# Altium PCB DM1097_R2M0E2.PcbDoc (part 5 of 7) (continued)
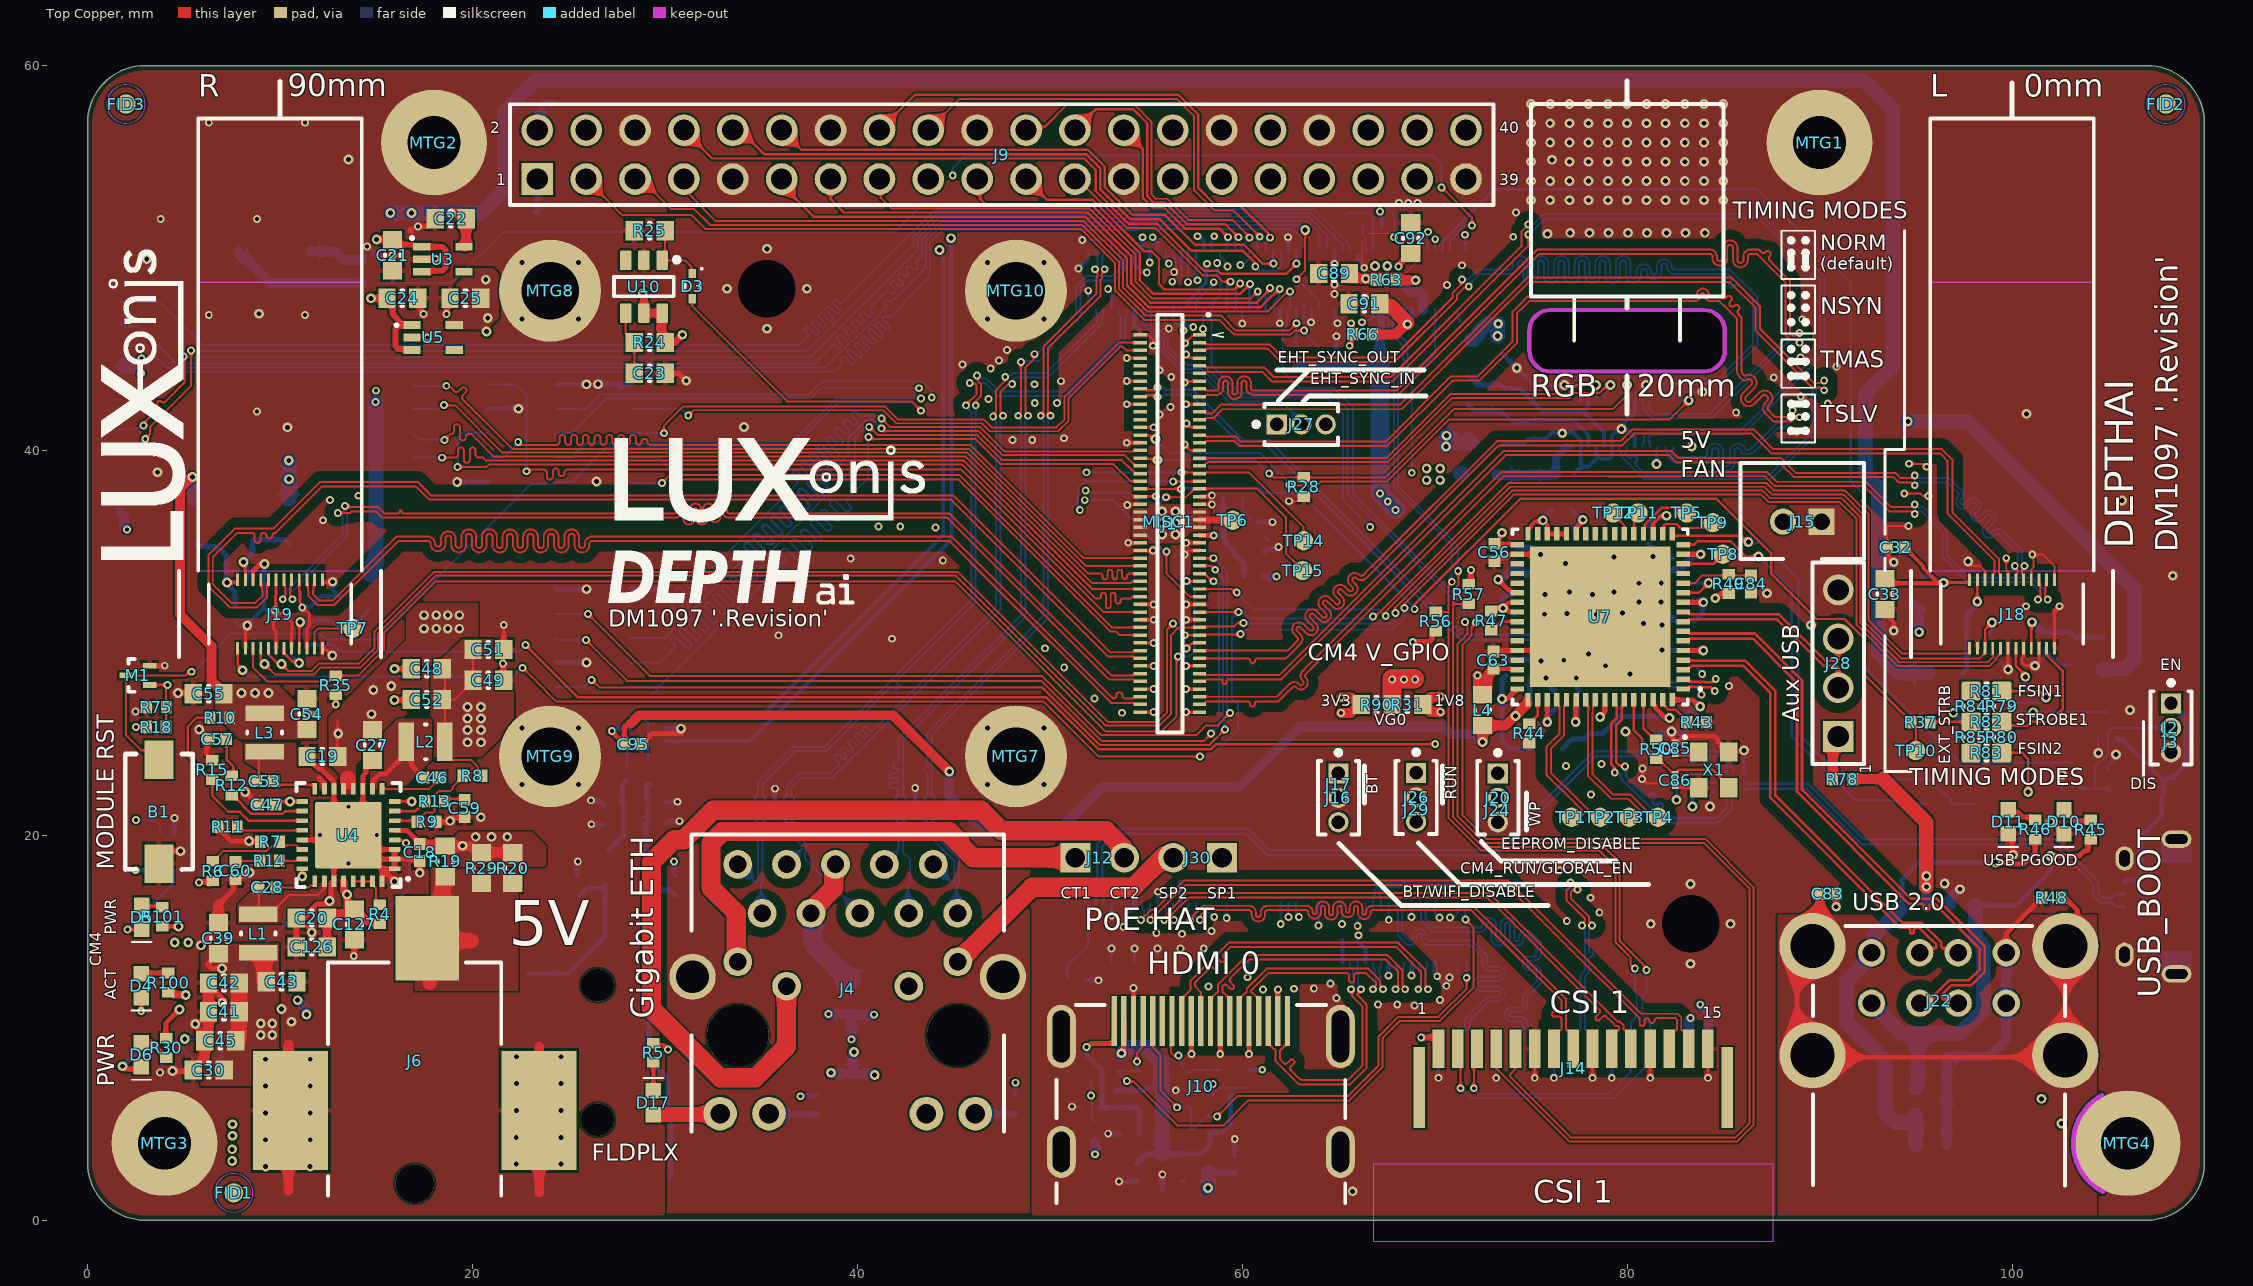
[diagram p0: Top Copper view]
## Nets (pads, with @x,y where several pads share a name; then routed paths per layer and width w, separated by ;. In a path a pad name is that pad's centre, name@x,y a point inside that pad or via, vN(x,y) a via of type N, cw(c..) or ccw(c..) an arc to the next point about the centre after c; other vN are vias at no path point) (continued)
MIPI_RX5_D1_N: J1.27 J11.2 | length 53.9
  Top Copper w0.101: J1.27@57.78,40.8 58.04,40.8 58.126,40.714 58.374,40.714 59.683,40.714 59.934,40.462 67.445,40.462 70.833,43.85 71.155,43.85 72.212,43.85 72.232,43.85 72.427,44.045 74.047,45.665 74.047,46.04 74.047,47.211 74.338,47.503 74.835,48 ; 85.941,46.552 85.941,46.212 85.941,45.827 85.941,44.551 85.941,44.272 85.941,44.185 ccw(c86.325,44.185) 86.104,43.871 cw(c86.32,43.528) 86.592,43.828 86.593,43.827 86.606,43.815 cw(c86.32,43.528) 86.607,43.814 86.64,43.781 86.64,43.777 cw(c86.32,43.528) 86.606,43.241 86.19,42.825 ccw(c86.315,42.699) 86.19,42.573 ccw(c86.315,42.699) 86.441,42.573 ; 86.442,42.574 86.858,42.99 cw(c87.144,42.703) 87.393,43.023 87.398,43.023 87.464,42.957 87.464,42.952 cw(c87.144,42.703) 87.431,42.417 87.349,42.335 ccw(c87.474,42.208) 87.348,42.083 87.594,41.836 87.677,41.754 87.698,41.733 88.172,41.733 ; 88.172,41.733 88.363,41.733
  Top Copper w0.102: 74.835,48 79.766,48 81.559,48 82.474,48 83.527,48 ccw(c83.527,48.102) 83.629,48.102 cw(c83.934,48.102) 83.934,48.407 cw(c83.934,48.102) 84.239,48.102 ccw(c84.34,48.102) 84.34,48 84.868,48 84.887,47.981 ; 84.887,47.981 84.923,47.945 ccw(c85.031,48.053) 85.139,47.945 85.182,47.988 cw(c85.29,47.88) 85.398,47.772 85.355,47.729 ccw(c85.463,47.621) 85.571,47.513 cw(c85.679,47.405) 85.787,47.297 ccw(c85.896,47.189) 85.787,47.081 85.942,46.926 85.942,46.597 85.942,46.552 85.942,46.212 ; 88.363,41.733 88.447,41.733 88.549,41.835 88.549,42.033 v1(88.6,42.084)
  Bottom Copper w0.102: J11.2@82.4,40.2 82.4,40.06 82.314,39.974 82.314,39.798 82.459,39.653 83.829,39.653 83.994,39.653 ccw(c83.994,39.831) 84.172,39.831 84.172,39.946 cw(c84.579,39.946) 84.579,40.353 cw(c84.579,39.946) 84.986,39.946 84.986,39.359 ccw(c85.164,39.359) 85.164,39.181 ccw(c85.164,39.359) 85.343,39.359 85.343,39.946 cw(c85.749,39.946) 85.749,40.353 cw(c85.749,39.946) 86.147,40.035 ccw(c86.218,40.413) 86.491,40.141 86.647,40.298 ; 86.648,40.298 86.753,40.403 87.764,41.414 88.061,41.414 88.549,41.902 88.549,42.033 v1(88.6,42.084)
MIPI_RX5_D1_P: J1.29 J11.3 | length 53.6
  Top Copper w0.101: J1.29@57.78,40.4 58.04,40.4 58.126,40.486 59.588,40.486 59.84,40.235 67.54,40.235 70.927,43.622 72.212,43.622 72.326,43.622 72.588,43.884 74.274,45.57 74.274,45.812 74.274,47.117 74.66,47.502 ; 85.713,46.117 85.713,44.39 85.713,44.272 85.713,44.185 ccw(c86.325,44.185) 86.031,43.648 86.084,43.619 86.16,43.619 86.193,43.653 ; 86.028,42.413 cw(c86.315,42.699) 86.029,42.985 86.445,43.401 ; 86.029,42.411 ccw(c86.315,42.699) 86.602,42.412 87.018,42.828 cw(c87.144,42.703) 87.27,42.829 cw(c87.144,42.703) 87.27,42.577 87.188,42.496 ccw(c87.474,42.208) 87.187,41.922 87.433,41.676 87.516,41.593 87.604,41.505 88.135,41.505 ; 86.194,43.653 cw(c86.32,43.528) 86.446,43.653 cw(c86.32,43.528) 86.445,43.402 ; 88.135,41.505 88.363,41.505
  Top Copper w0.102: 74.661,47.502 74.93,47.771 79.766,47.771 81.559,47.771 82.474,47.771 83.527,47.771 ccw(c83.527,48.102) 83.858,48.102 cw(c83.934,48.102) 83.934,48.178 cw(c83.934,48.102) 84.01,48.102 ccw(c84.34,48.102) 84.34,47.771 84.773,47.771 84.887,47.658 85.09,47.455 85.713,46.831 85.713,46.117 ; 88.363,41.505 88.542,41.505 88.711,41.673 88.908,41.673 v1(88.959,41.724)
  Bottom Copper w0.102: J11.3@82,40.2 82,40.06 82.086,39.974 82.086,39.703 82.365,39.424 83.829,39.424 83.994,39.424 ccw(c83.994,39.831) 84.401,39.831 84.401,39.946 cw(c84.579,39.946) 84.579,40.124 cw(c84.579,39.946) 84.757,39.946 84.757,39.359 ccw(c85.164,39.359) 85.164,38.953 ccw(c85.164,39.359) 85.571,39.359 85.571,39.946 cw(c85.749,39.946) 85.749,40.124 cw(c85.749,39.946) 85.928,39.946 ccw(c86.042,39.946) 86.001,39.839 ccw(c86.218,40.413) 86.652,39.979 86.809,40.136 86.893,40.22 87.858,41.185 88.155,41.185 88.644,41.673 88.908,41.673 v1(88.959,41.724)
MODULE_nRST: B1.2 D3.2 J1.39 J5.1 M1.3 | length 85.4
  Top Copper w0.102: B1.2@3.708,23.934 3.226,24.417 2.787,24.417 2.006,25.197 M1.3@2.006,28.314 5.104,28.314 5.29,28.5 v1(5.4,28.5) ; D3.2@31.42,47.879 31.42,47.48 36.355,42.545 42.824,42.545 v1(43.307,42.062) v1@43.307,42.012 ; D3.2@31.445,47.879 D3.2@31.445,47.93 ; v1(56.413,38.379) 57.526,38.379 J1.39@57.549,38.402
  Signal Layer 1 w0.102: v1(43.307,42.062) 43.994,42.062 49.15,36.906 v1(51.562,36.906)
  Bottom Copper w0.102: v1@5.436,28.426 5.588,28.578 5.591,28.578 7.502,30.489 12.056,30.489 12.37,30.175 14.961,30.175 23.046,38.261 24.246,38.261 J5.1@24.339,38.354 25.159,38.354 26.809,40.004 26.827,40.004 26.887,40.064 26.887,40.067 26.976,40.156 36.677,40.156 39.014,42.494 42.875,42.494 v1(43.307,42.062) ; v1(51.562,36.906) 51.46,37.008 51.46,38.019 51.821,38.379 v1(56.413,38.379)
NetC7_2: C7.2 J4.4 J4.5 | length 7.5
  Top Copper w1: J4.4@37.595,15.95 37.595,16.085 38.769,17.26 38.769,18.394 J4.5@38.865,18.49
  Bottom Copper w1: J4.4@37.595,15.95 37.691,15.854 37.691,14.359 39.55,12.5 C7.2@39.7,12.5
NetC57_1: C57.1 R12.1 | length 2.1
  Top Copper w0.127: C57.1@7.195,25 7.226,24.969 7.226,23.94 7.58,23.585 7.58,23.165 R12.1@7.505,23.09
NetC59_1: C59.1 R13.1 | length 1.1
  Top Copper w0.127: R13.1@18.538,21.762 18.677,21.9 C59.1@19.55,21.9
NetC60_1: C60.1 R14.1 | length 1.3
  Top Copper w0.102: C60.1@7.685,18.618 7.735,18.668 R14.1@8.969,18.668
NetC93_2: C93.2 C94.2 R68.2 R70.2 | length 4.3
  Bottom Copper w0.254: R70.2@28.89,20.379 28.929,20.418 R70.2@28.929,20.599 ; C93.2@29.01,18.964 28.91,19.064 29.04,19.194 R70.2@29.04,20.599 29.116,20.675 29.116,21.667 C94.2@29.192,21.742 ; C94.2@29.065,21.77 R68.2@29.065,22.644 ; 29.075,22.565 29.155,22.644 R68.2@29.271,22.644
NetC96_2: C96.2 C97.2 R71.2 R72.2 | length 4.2
  Bottom Copper w0.254: C96.2@27.06,19.2 27.856,19.995 27.856,21.616 C97.2@27.73,21.742 27.799,21.812 27.799,22.554 27.823,22.577 27.823,22.703 27.971,22.851 R71.2@28.021,22.851
NetCM4_16: CM4.16 J27.1 | length 10
  Bottom Copper w0.102: CM4.16@54.8,47.32 54.849,47.271 54.849,46.548 55.728,45.669 55.728,45.25 56.941,44.037 57.792,44.037 59.504,42.324 60.977,42.324 61.697,41.605 J27.1@61.697,41.529
NetCM4_18: CM4.18 J27.2 | length 10.9
  Bottom Copper w0.102: CM4.18@55.2,47.32 55.249,47.271 55.249,46.436 55.931,45.753 55.931,45.335 57.025,44.241 57.899,44.241 59.595,42.545 62.027,42.545 J27.2@62.992,41.58
NetCM4_20: CM4.20 J20.1 J20.2 | length 40.9
  Signal Layer 1 w0.102: v1@66.596,36.03 66.65,35.977 66.65,34.417 64.623,32.39 64.623,26.274 66.653,24.244 69.431,24.244 70.536,23.139 73.281,23.139 J20.2@73.281,21.949
  Bottom Copper w0.102: CM4.20@55.6,47.32 55.649,47.271 55.649,46.324 56.135,45.838 56.135,45.419 57.11,44.444 57.984,44.444 59.68,42.748 64.389,42.748 65.227,41.91 65.227,37.44 v1(66.65,36.017)
NetCM4_21: CM4.21 D4.1 | length 85.3
  Top Copper w0.127: v1(2.788,10.871) 2.794,10.877 D4.1@2.794,11.567
  Signal Layer 1 w0.15: v1(2.788,10.871) 3.632,11.715 3.632,26.034 3.631,26.035 3.631,26.392 3.632,26.393 3.632,32.173 6.538,35.079 30.769,35.079 47.331,51.64 55.701,51.64 56.185,51.156 v1(56.185,49.708)
  Bottom Copper w0.102: CM4.21@56,50.4 56.049,50.351 v1@56.049,49.691
NetCM4_89: CM4.89 J16.3 | length 42.6
  Signal Layer 1 w0.102: 63.568,22.428 63.568,29.678 58.941,34.305 58.941,43.396 60.561,45.016 62.512,45.016 63.97,46.474 63.97,47.62 64.44,48.09 64.44,49.986 66.514,52.06 68.945,52.06 v1(69.647,51.359) ; 63.576,22.428 63.576,22.102 J16.3@64.999,20.679
  Bottom Copper w0.102: CM4.89@69.6,50.4 69.6,51.312 v1(69.647,51.359)
NetCM4_91: CM4.91 J16.1 | length 39.6
  Signal Layer 1 w0.102: 59.186,36.187 59.186,43.354 60.612,44.78 62.563,44.78 64.173,46.39 64.173,46.912 64.632,47.371 64.634,47.371 65.151,47.888 65.151,50.41 66.598,51.857 68.539,51.857 69.418,50.978 v1(70.028,50.978) ; 59.19,36.187 59.19,34.344 63.771,29.762 63.771,24.447 J16.1@64.973,23.245
  Bottom Copper w0.102: CM4.91@70,50.4 70.028,50.428 v1(70.028,50.978)
NetD4_2: D4.2 R100.1 | length 1.5
  Top Copper w0.254: D4.2@2.794,12.614 3.025,12.844 R100.1@4.191,12.844
NetD5_1: D5.1 U11.4 | length 4.9
  Top Copper w0.102: D5.1@2.854,15.113 D5.1@2.864,15.123
  Top Copper w0.152: v1(2.077,15.113) D5.1@2.854,15.113
  Bottom Copper w0.152: v1(2.077,15.113) 2.686,15.723 4.485,17.522 U11.4@4.485,18.227
NetD5_2: D5.2 R101.1 | length 1.1
  Top Copper w0.127: R101.1@3.83,16.323 R101.1@3.88,16.273
  Top Copper w0.154: D5.2@2.869,16.323 R101.1@3.83,16.323
  Top Copper w0.384: D5.2@2.819,16.373 D5.2@2.869,16.323
NetD6_1: D6.1 Q5.3 | length 2.5
  Top Copper w0.254: v2(1.814,8) 1.855,8 2.006,7.85 D6.1@2.8,7.85
  Bottom Copper w0.254: v2(1.814,8) 2.556,8.741 Q5.3@2.949,8.741
NetD6_2: D6.2 R30.1 | length 1.7
  Top Copper w0.254: D6.2@2.8,9.35 2.893,9.257 3.293,9.257 3.826,8.724 3.826,8.674 4.05,8.45 R30.1@4.1,8.45
NetD17_1: D17.1 R5.2 | length 1.5
  Top Copper w0.203: D17.1@29.4,6.725 R5.2@29.4,8.2
NetJ2_2: J2.2 Q1.1 R2.2 | length 8.1
  Bottom Copper w0.102: Q1.1@103.652,22.425 104.315,22.425 ; R2.2@104.977,22.425 104.315,22.425 ; J2.2@108.261,25.583 105.183,25.583 105,25.4 105,24.222 104.653,23.875 104.635,23.875 104.612,23.852 104.589,23.852 104.315,23.578 104.315,22.425
  Bottom Copper w0.254: Q1.1@103.594,22.483 Q1.1@103.652,22.425 ; R2.2@104.977,22.425 R2.2@105.019,22.383
NetJ4_16: J4.16 R3.2 | length 2.5
  Bottom Copper w0.3: J4.16@35.41,5.54 35.43,5.52 37.88,5.52 R3.2@37.9,5.5
NetJ4_18: J4.18 R1.2 | length 2.1
  Bottom Copper w0.3: J4.18@46.13,5.54 46.15,5.52 48.18,5.52 R1.2@48.2,5.5
NetJ28_1: J28.1 R78.1 | length 2.3
  Top Copper w0.254: J28.1@90.69,24.85 J28.1@90.971,25.131
  Top Copper w0.508: R78.1@90.69,22.924 J28.1@90.69,24.85
NetM1_1: M1.1 R18.2 R75.2 | length 3.2
  Top Copper w0.102: R18.2@4.112,25.578 4.081,25.608 4.081,26.492 4.081,27.625 4.16,27.704 v1(4.16,27.814)
  Top Copper w0.127: M1.1@3.226,27.814 v1(4.16,27.814)
NetQ6_3: Q6.3 R38.2 U6.10 | length 35.1
  Signal Layer 1 w0.102: v2(82.565,21.845) 83.529,22.809 89.834,22.809 92.755,19.888 99.339,19.888 101.295,21.844 101.295,23.969 101.1,24.165 v2(101.1,26.4) v2@101.117,26.416
  Signal Layer 1 w0.127: 100.834,26.327 101.027,26.327 v2(101.1,26.4)
  Bottom Copper w0.102: v2(82.565,21.845) 82.565,22.825 82.894,23.154 U6.10@84.541,23.154 ; R38.2@99.4,26.031 99.769,26.4 v2@100.992,26.4 ; Q6.3@104.977,26.37 104.947,26.4 v2(101.1,26.4) ; v2@100.992,26.4 101.046,26.346 v2(101.1,26.4) ; v2@100.992,26.4 v2(101.1,26.4)
NetR37_2: R37.2 R81.1 R82.1 R83.1 R84.1 R84.2 R85.1 R85.2 | length 4.7
  Top Copper w0.127: R37.2@95.758,25.865 95.788,25.895 R85.1@97.872,25.895 ; R85.2@97.872,24.625 R85.1@97.872,25.895 ; R84.1@97.872,27.165 R85.1@97.872,25.895
NetR40_2: R40.2 U7.11 | length 2.4
  Top Copper w0.127: U7.11@82.91,32.606 83.736,32.606 v2(84.236,33.106)
  Bottom Copper w0.127: R40.2@83.323,33.106 v2(84.236,33.106)
NetR43_2: R43.2 U7.63 | length 1.9
  Top Copper w0.127: U7.63@81.85,27.046 81.85,26.841 82.045,26.646 82.045,26.632 82.158,26.519 82.539,26.519 83.126,25.932 R43.2@83.126,25.882
NetR51_2: R51.2 U7.28 U7.29 U7.30 U7.32 | length 3.9
  Top Copper w0.203: U7.32@74.85,35.666 74.85,35.871 75.007,36.027 75.007,36.095 75.22,36.308 75.561,36.308 v2(75.619,36.366) 75.845,36.14 U7.30@75.845,35.671 ; U7.30@75.812,35.704 U7.30@75.845,35.671 ; U7.28@76.85,35.666 U7.29@76.35,35.666 U7.30@75.85,35.666 U7.30@75.845,35.671
  Bottom Copper w0.203: v2@75.517,36.383 75.867,36.733 75.917,36.733 76.09,36.906 R51.2@76.09,36.956
NetR68_1: R68.1 U9.6 | length 3
  Bottom Copper w0.102: U9.6@28.148,26.192 28.748,26.192 29.123,25.817 R68.1@29.123,23.927
NetR71_1: R71.1 U9.4 | length 1.3
  Bottom Copper w0.102: R71.1@28.021,23.614 R71.1@28.021,23.851 28.021,24.511 28.09,24.58 28.09,24.833 U9.4@28.148,24.892
nFDX_LED: TP5.1 U7.20 | length 2.7
  Top Copper w0.127: U7.20@80.85,35.666 80.927,35.742 80.927,36.142 81.815,37.031 TP5.1@82.733,37.031
nLNKA_LED: TP11.1 U7.21 | length 1.1
  Top Copper w0.102: U7.21@80.35,35.666 80.35,36.268 80.729,36.647 TP11.1@80.739,36.647
nMR: C23.2 R24.1 U10.4 | length 3.3
  Top Copper w0.102: U10.4@27.962,47.134 27.962,46.109 28.412,45.659 R24.1@28.412,45.609 C23.2@28.412,44.009
nRESET: C84.2 R49.2 U7.12 | length 3.4
  Top Copper w0.102: U7.12@82.91,33.106 83.506,33.106 83.912,33.512 C84.2@86.132,33.512
nRPIBOOT: CM4.93 Q1.3 | length 57.9
  Bottom Copper w0.127: CM4.93@70.4,50.4 70.414,50.414 70.414,50.851 73.143,53.581 86.779,53.581 91.618,48.743 91.618,38.379 92.354,37.643 92.354,28.727 97.304,23.778 Q1.3@103.094,23.778
nSPD_LED: TP12.1 U7.22 | length 1.3
  Top Copper w0.102: TP12.1@79.22,36.741 79.225,36.741 79.85,36.116 U7.22@79.85,35.666
PGOOD_1097: Q5.1 R77.1 U4.4 | length 21.9
  Top Copper w0.127: U4.4@15.955,19.762 15.986,19.731 16.356,19.731 16.485,19.602 v1(16.554,19.602)
  Bottom Copper w0.127: Q5.1@4.169,9.241 Q5.1@4.374,9.241 ; Q5.1@4.46,9.328 Q5.1@4.374,9.241 ; R77.1@5.867,8.153 5.867,8.182 5.757,8.293 5.592,8.293 4.644,9.241 Q5.1@4.374,9.241 ; R77.1@6.121,8.134 R77.1@6.166,8.179 ; R77.1@6.205,8.039 6.54,8.039 6.97,8.468 6.97,9.335 8.013,10.377 8.013,13.12 10.449,15.557 14.998,15.557 16.713,17.272 16.713,19.388 16.554,19.547 v1(16.554,19.602)
PI_LED_nPWR: CM4.95 U11.2 | length 99.6
  Top Copper w0.102: v1(70.358,53.67) 71.933,52.095 v1(71.933,51.689)
  Signal Layer 1 w0.102: v1(2.522,20.803) 2.522,23.056 1.956,23.622 1.956,26.705 2.819,27.568 2.819,31.969 6.359,35.509 30.591,35.509 43.663,48.581 43.663,51.181 44.958,52.476 v1(44.958,54.28)
  Bottom Copper w0.102: v1(2.522,20.803) 3.488,20.803 3.548,20.743 3.771,20.52 3.771,20.191 U11.2@3.835,20.127 ; v1(44.958,54.28) 44.958,54.661 45.618,55.321 69.926,55.321 70.358,54.889 v1(70.358,53.67) ; CM4.95@70.8,50.4 70.8,50.932 71.557,51.689 v1(71.933,51.689)
PMIC_EN: R4.1 U4.29 U4.30 U4.31 | length 2.1
  Top Copper w0.102: U4.29@13.805,17.612 U4.30@14.305,17.612 U4.31@14.805,17.612 14.805,17.437 15,17.242 R4.1@15,16.6
PRTCTL2: TP8.1 U7.14 | length 2.3
  Top Copper w0.127: U7.14@82.91,34.106 84.484,34.106 TP8.1@84.984,34.606
PRTCTL3: U7.16 U8.1 U8.2 | length 22.8
  Top Copper w0.127: U7.16@82.91,35.106 83.486,35.106 83.67,35.29 85.356,35.29 86.158,34.488 v2(86.82,34.488)
  Bottom Copper w0.127: v2(86.82,34.488) 88.544,32.764 88.544,25.146 91.873,21.818 94.091,21.818 U8.1@94.276,21.632 U8.2@95.546,21.632
PRTCTL4: U7.17 U8.3 U8.4 | length 26.4
  Top Copper w0.127: U7.17@82.35,35.666 82.35,35.636 82.427,35.56 85.91,35.56 86.224,35.246 v2(86.3,35.246)
  Bottom Copper w0.127: v2(86.3,35.246) 86.353,35.192 86.995,35.192 88.903,33.285 88.903,25.27 91.265,22.908 95.697,22.908 96.362,22.242 96.442,22.242 96.816,21.868 U8.3@96.816,21.632 U8.4@98.086,21.632
PRTCTL5: TP9.1 U7.18 | length 3.2
  Top Copper w0.127: U7.18@81.85,35.666 81.915,35.73 81.915,36.101 81.989,36.176 82.558,36.176 82.765,35.969 83.944,35.969 84.221,36.246 TP9.1@84.455,36.246
ROSC: R11.2 U4.20 | length 3.4
  Top Copper w0.102: R11.2@7.78,20.439 7.957,20.262 U4.20@11.155,20.262
RST_1: D3.1 R25.2 U10.1 | length 3.7
  Top Copper w0.102: R25.2@30.012,51.409 30.012,50.034 U10.1@29.862,49.884 30.004,49.742 30.004,49.762 30.111,49.869 31.055,49.869 31.383,49.541 31.383,49.236 D3.1@31.42,49.199
RUN_PG: CM4.92 J26.1 | length 30.4
  Signal Layer 1 w0.102: v1(68.809,38.837) 67.226,38.837 66.296,37.907 66.296,36.167 66.294,36.164 66.294,35.87 66.296,35.868 66.296,34.47 64.419,32.593 64.419,26.19 67.368,23.241 J26.1@69.037,23.241 ; J26.1@69.19,23.063 J26.1@69.19,23.27
  Bottom Copper w0.102: v1(68.809,38.837) 68.809,43.764 70.008,44.963 70.008,47.312 CM4.92@70,47.32
RX_N: TP2.1 U7.53 | length 7.8
  Top Copper w0.102: U7.53@76.85,27.046 76.85,26.841 76.714,26.705 76.714,25.185 76.037,24.508 76.037,23.252 77.397,21.892 77.97,21.319 77.97,21.14 78.029,21.08 78.462,21.08 TP2.1@78.606,20.937
RX_P: TP1.1 U7.52 | length 7.8
  Top Copper w0.102: U7.52@76.35,27.046 76.35,26.841 76.486,26.705 76.486,25.279 75.809,24.602 75.809,23.157 77.302,21.663 77.741,21.224 77.741,21.14 77.682,21.08 77.249,21.08 TP1.1@77.106,20.937
SD_DETECT: CM4.76 R52.2 | length 62.8
  Signal Layer 1 w0.102: v1(66.218,46.66) 66.218,47.565 65.888,47.895 65.888,48.862 65.887,50.19 66.777,51.079 v1(67.894,51.079)
  Bottom Copper w0.102: R52.2@15.3,48.7 18.931,48.7 21.59,51.359 41.961,51.359 43.416,52.814 67.302,52.814 67.894,52.222 v1(67.894,51.079) ; v1(66.218,46.66) 66.294,46.66 66.446,46.812 66.74,46.812 66.8,46.871 CM4.76@66.8,47.32
SD_HST0_CD: J1.59 J8.7 | length 47.2
  Top Copper w0.102: v1(26.01,31.496) 29.235,28.27 49.605,28.27 52.672,25.203 57.603,25.203 58.1,25.7 58.7,25.7 v1(59.363,26.363) ; J1.59@57.78,34.4 v1(58.5,34.4)
  Bottom Copper w0.102: J8.7@24.339,31.521 24.364,31.496 v1(26.01,31.496) ; v1(58.5,34.4) 59.2,33.7 59.2,33.484 59.203,33.481 59.203,26.575 59.363,26.415 v1(59.363,26.363)
SD_HST0_CLK: J1.61 J8.1 | length 46.1
  Top Copper w0.102: v1(26.187,28.067) 26.219,28.067 26.604,27.682 49.618,27.682 52.606,24.694 58.296,24.694 v1(59.1,25.497) ; J1.61@57.78,34 58.4,34 58.599,33.801 v1(58.599,33.799)
  Bottom Copper w0.102: J8.1@24.339,27.711 25.832,27.711 v1(26.187,28.067) ; v1(58.599,33.799) 59,33.397 59,26.223 59.1,26.123 v1(59.1,25.497)
SD_HST0_CMD: J1.63 J8.5 | length 45.6
  Top Copper w0.102: v1(25.908,30.15) 26.571,29.487 28.034,28.024 49.564,28.024 52.691,24.897 57.997,24.897 v1(58.385,25.285) ; J1.63@57.78,33.6 58.04,33.6 58.44,33.2 v1(58.5,33.2)
  Bottom Copper w0.102: J8.5@24.339,30.251 24.441,30.15 v1(25.908,30.15) ; v1(58.385,25.285) 58.797,25.697 58.797,32.997 58.594,33.2 v1(58.5,33.2)
SD_HST0_D0: J1.40 J8.2 | length 45.1
  Top Copper w0.102: v1(40.586,40.705) 40.6,40.705 40.716,40.589 46.149,40.589 47.342,39.395 47.444,39.294 53.303,39.294 54.197,38.4 J1.40@54.7,38.4
  Bottom Copper w0.102: J8.2@28.239,27.711 29.71,27.711 ; J8.2@29.355,27.356 29.385,27.386 29.71,27.711 ; v1(40.586,40.705) 40.564,40.683 40.564,38.565 39.691,37.692 39.5,37.501 ccw(c39.626,37.375) 39.5,37.249 39.617,37.132 cw(c39.491,37.006) 39.617,36.88 cw(c39.491,37.006) 39.365,36.88 38.879,37.366 ccw(c38.753,37.24) 38.627,37.366 ccw(c38.753,37.24) 38.627,37.114 39.113,36.628 cw(c38.987,36.502) 39.113,36.376 cw(c38.987,36.502) 38.861,36.376 38.375,36.862 ccw(c38.249,36.736) 38.123,36.862 ccw(c38.249,36.736) 38.123,36.61 38.609,36.124 cw(c38.483,35.997) 38.609,35.871 cw(c38.483,35.997) 38.356,35.871 37.87,36.357 ccw(c37.744,36.231) 37.618,36.357 ccw(c37.744,36.231) 37.618,36.105 38.104,35.619 cw(c37.978,35.493) 38.104,35.367 cw(c37.978,35.493) 37.852,35.367 37.366,35.853 ccw(c37.24,35.727) 37.114,35.853 ccw(c37.24,35.727) 37.114,35.601 37.6,35.115 cw(c37.474,34.989) 37.6,34.863 cw(c37.474,34.989) 37.348,34.863 36.862,35.349 ccw(c36.736,35.223) 36.61,35.349 ccw(c36.736,35.223) 36.61,35.097 37.096,34.611 cw(c36.97,34.485) 37.096,34.358 cw(c36.97,34.485) 36.843,34.358 36.357,34.845 ccw(c36.231,34.718) 36.105,34.845 ccw(c36.231,34.718) 36.105,34.592 36.222,34.475 cw(c36.096,34.349) 36.222,34.223 36.186,34.187 29.71,27.711
SD_HST0_D1: J1.38 J8.4 | length 50.2
  Top Copper w0.102: v1(40.617,41.212) 40.652,41.212 41.072,40.792 46.233,40.792 47.528,39.497 53.747,39.497 54.287,38.958 54.341,38.958 54.401,38.898 54.401,38.839 54.44,38.8 J1.38@54.7,38.8
  Bottom Copper w0.102: J8.4@28.239,28.981 29.723,28.981 30.444,29.703 30.48,29.739 ccw(c30.37,29.849) 30.48,29.959 30.358,30.082 cw(c30.468,30.192) 30.578,30.302 31.111,29.769 ccw(c31.221,29.879) 31.331,29.99 30.798,30.522 cw(c30.909,30.633) 30.798,30.743 cw(c30.909,30.633) 31.019,30.743 31.551,30.21 ccw(c31.662,30.32) 31.772,30.43 31.239,30.963 cw(c31.349,31.073) 31.459,31.183 31.992,30.651 ccw(c32.102,30.761) 32.212,30.651 ccw(c32.102,30.761) 32.212,30.871 31.68,31.404 cw(c31.79,31.514) 31.9,31.624 32.433,31.091 ccw(c32.543,31.201) 32.653,31.312 32.12,31.844 cw(c32.231,31.955) 32.341,32.065 32.874,31.532 ccw(c32.984,31.642) 33.094,31.532 ccw(c32.984,31.642) 33.094,31.752 32.561,32.285 cw(c32.671,32.395) 32.781,32.505 33.314,31.973 ccw(c33.424,32.083) 33.535,32.193 33.002,32.726 cw(c33.112,32.836) 33.222,32.946 33.755,32.413 ccw(c33.865,32.523) 33.975,32.413 ccw(c33.865,32.523) 33.975,32.634 33.442,33.166 cw(c33.553,33.277) 33.663,33.387 34.196,32.854 ccw(c34.306,32.964) 34.416,33.074 33.883,33.607 cw(c33.993,33.717) 34.103,33.827 34.566,33.364 ccw(c34.676,33.475) 34.787,33.364 ccw(c34.676,33.475) 34.787,33.585 34.667,33.705 cw(c34.777,33.815) 34.887,33.925 ccw(c34.997,34.035) 35.107,34.145 ; 35.107,34.145 cw(c35.218,34.256) 35.107,34.366 36.853,36.111 39.868,39.126 39.868,40.66 40.399,41.191 40.596,41.191 v1(40.617,41.212)
SD_HST0_D2: J1.36 J8.6 | length 50.1
  Top Copper w0.102: v1(41.25,41.148) 41.391,41.006 46.306,41.006 47.536,39.776 47.562,39.751 53.893,39.751 54.287,39.358 54.341,39.358 54.401,39.298 54.401,39.239 54.44,39.2 J1.36@54.7,39.2
  Bottom Copper w0.102: 40.594,41.605 40.792,41.605 v1(41.25,41.148)
  Bottom Copper w0.127: J8.6@28.239,30.251 30.002,30.251 33.788,34.038 33.833,34.082 ccw(c33.716,34.2) 33.833,34.317 33.698,34.452 cw(c33.815,34.569) 33.932,34.686 34.41,34.208 ccw(c34.527,34.325) 34.644,34.208 ccw(c34.527,34.325) 34.644,34.442 34.166,34.92 cw(c34.283,35.037) 34.166,35.154 cw(c34.283,35.037) 34.4,35.154 34.878,34.676 ccw(c34.995,34.793) 35.112,34.91 34.634,35.388 cw(c34.751,35.505) 34.634,35.622 cw(c34.751,35.505) 34.868,35.622 35.346,35.144 ccw(c35.463,35.261) 35.58,35.144 ccw(c35.463,35.261) 35.58,35.378 35.102,35.856 cw(c35.219,35.973) 35.102,36.09 cw(c35.219,35.973) 35.336,36.09 35.814,35.612 ccw(c35.931,35.729) 36.048,35.846 35.57,36.324 cw(c35.687,36.441) 35.57,36.558 cw(c35.687,36.441) 35.804,36.558 36.282,36.08 ccw(c36.399,36.197) 36.516,36.08 ccw(c36.399,36.197) 36.516,36.314 36.038,36.792 cw(c36.155,36.909) 36.272,37.026 36.75,36.548 ccw(c36.867,36.665) 36.984,36.548 ccw(c36.867,36.665) 36.984,36.782 36.506,37.26 cw(c36.623,37.377) 36.506,37.494 cw(c36.623,37.377) 36.74,37.494 37.219,37.016 ccw(c37.336,37.133) 37.453,37.25 36.975,37.728 cw(c37.092,37.845) 36.975,37.962 cw(c37.092,37.845) 37.209,37.962 37.687,37.484 ccw(c37.804,37.601) 37.921,37.484 ccw(c37.804,37.601) 37.921,37.718 37.443,38.196 cw(c37.56,38.313) 37.677,38.431 38.155,37.952 ccw(c38.272,38.069) 38.389,37.952 ccw(c38.272,38.069) 38.389,38.186 37.911,38.665 cw(c38.028,38.782) 37.911,38.899 cw(c38.028,38.782) 38.145,38.899 38.518,38.525 ccw(c38.635,38.642) 38.752,38.76 38.514,38.998 cw(c38.631,39.115) 38.514,39.232 cw(c38.631,39.115) 38.748,39.232 ccw(c38.865,39.349) 38.982,39.232 39.531,39.781 39.531,39.899 39.531,40.651 40.46,41.58 40.594,41.58
SD_HST0_D3: J1.32 J8.8 | length 50.2
  Top Copper w0.102: v1(41.25,41.656) 41.275,41.656 41.721,41.21 46.39,41.21 47.646,39.954 54.341,39.954 54.348,39.961 54.401,39.961 54.44,40 J1.32@54.7,40
  Bottom Copper w0.102: J8.8@28.239,31.521 30.096,31.521 30.326,31.751 30.362,31.787 ccw(c30.252,31.898) 30.362,32.008 30.172,32.197 cw(c30.282,32.308) 30.393,32.418 30.993,31.818 ccw(c31.103,31.928) 31.213,32.038 30.613,32.638 cw(c30.723,32.748) 30.613,32.858 cw(c30.723,32.748) 30.833,32.858 31.433,32.259 ccw(c31.543,32.369) 31.654,32.479 31.054,33.079 cw(c31.164,33.189) 31.274,33.299 31.874,32.699 ccw(c31.984,32.809) 32.094,32.699 ccw(c31.984,32.809) 32.094,32.92 31.494,33.519 cw(c31.604,33.63) 31.715,33.74 32.315,33.14 ccw(c32.425,33.25) 32.535,33.36 31.935,33.96 cw(c32.045,34.07) 32.155,34.18 32.345,33.991 ccw(c32.455,34.101) 32.565,33.991 32.892,34.317 36.816,38.241 36.852,38.277 ccw(c36.742,38.387) 36.852,38.497 36.662,38.687 cw(c36.772,38.797) 36.882,38.908 37.138,38.652 ccw(c37.248,38.762) 37.358,38.872 37.103,39.128 cw(c37.213,39.238) 37.103,39.348 cw(c37.213,39.238) 37.323,39.348 37.579,39.092 ccw(c37.689,39.203) 37.799,39.313 37.543,39.569 cw(c37.654,39.679) 37.764,39.789 38.155,39.398 ccw(c38.265,39.508) 38.375,39.398 ccw(c38.265,39.508) 38.375,39.618 37.984,40.009 cw(c38.094,40.119) 38.204,40.23 38.804,39.63 ccw(c38.914,39.74) 39.025,39.85 38.425,40.45 cw(c38.535,40.56) 38.645,40.67 38.985,40.33 ccw(c39.095,40.44) 39.205,40.33 ccw(c39.095,40.44) 39.205,40.551 38.865,40.891 cw(c38.976,41.001) 39.086,41.111 39.275,40.921 ccw(c39.386,41.031) 39.496,41.141 39.306,41.331 cw(c39.416,41.441) 39.526,41.552 39.716,41.362 ccw(c39.826,41.472) 39.936,41.362 ccw(c39.826,41.472) 39.936,41.582 39.774,41.744 cw(c39.884,41.855) 39.995,41.965 40.157,41.802 ccw(c40.267,41.913) 40.377,41.802 40.383,41.808 40.886,41.808 41.097,41.808 v1(41.25,41.656)
SD_PWR_ON: CM4.75 TP13.1 | length 3.5
  Bottom Copper w0.102: TP13.1@65.202,52.146 65.405,52.349 66.514,52.349 66.8,52.063 CM4.75@66.8,50.4
SDX_CLK: CM4.57 J23.5 | length 74
  Bottom Copper w0.102: J23.5@1.7,43.3 3.518,43.3 4.328,44.111 38.853,44.111 39.161,44.419 39.197,44.455 ccw(c39.116,44.536) 39.197,44.617 39.16,44.654 cw(c39.241,44.735) 39.16,44.816 39.178,44.834 cw(c39.259,44.753) 39.34,44.834 39.675,44.498 ccw(c39.756,44.579) 39.837,44.498 39.855,44.516 ccw(c39.774,44.597) 39.855,44.679 39.52,45.014 cw(c39.601,45.095) 39.52,45.176 39.538,45.194 cw(c39.619,45.113) 39.7,45.194 40.036,44.859 ccw(c40.117,44.94) 40.198,44.859 40.216,44.877 ccw(c40.135,44.958) 40.216,45.039 39.88,45.374 cw(c39.961,45.455) 39.88,45.536 39.898,45.554 cw(c39.979,45.473) 40.06,45.554 40.396,45.219 ccw(c40.477,45.3) 40.558,45.219 40.576,45.237 ccw(c40.495,45.318) 40.576,45.399 40.24,45.734 cw(c40.321,45.815) 40.24,45.896 40.258,45.914 cw(c40.339,45.833) 40.42,45.914 40.756,45.579 ccw(c40.837,45.66) 40.918,45.579 40.936,45.597 ccw(c40.855,45.678) 40.936,45.759 40.6,46.094 cw(c40.681,46.175) 40.6,46.256 40.618,46.274 cw(c40.699,46.193) 40.78,46.274 41.116,45.939 ccw(c41.197,46.02) 41.278,45.939 41.296,45.957 ccw(c41.215,46.038) 41.296,46.119 40.96,46.454 cw(c41.041,46.535) 40.96,46.616 40.978,46.634 cw(c41.059,46.553) 41.14,46.634 41.471,46.303 ccw(c41.552,46.384) 41.633,46.303 41.651,46.321 ccw(c41.57,46.402) 41.651,46.483 41.357,46.777 cw(c41.438,46.858) 41.357,46.939 41.375,46.957 cw(c41.456,46.876) 41.537,46.957 ; 41.537,46.957 ccw(c41.618,47.038) 41.699,46.957 43.65,48.908 43.764,49.022 43.764,50.775 44.45,51.46 54.619,51.46 54.67,51.511 62.595,51.511 63.195,50.911 CM4.57@63.195,50.597